# Altium PCB MCU025B.PcbDoc (part 2 of 3) (continued)
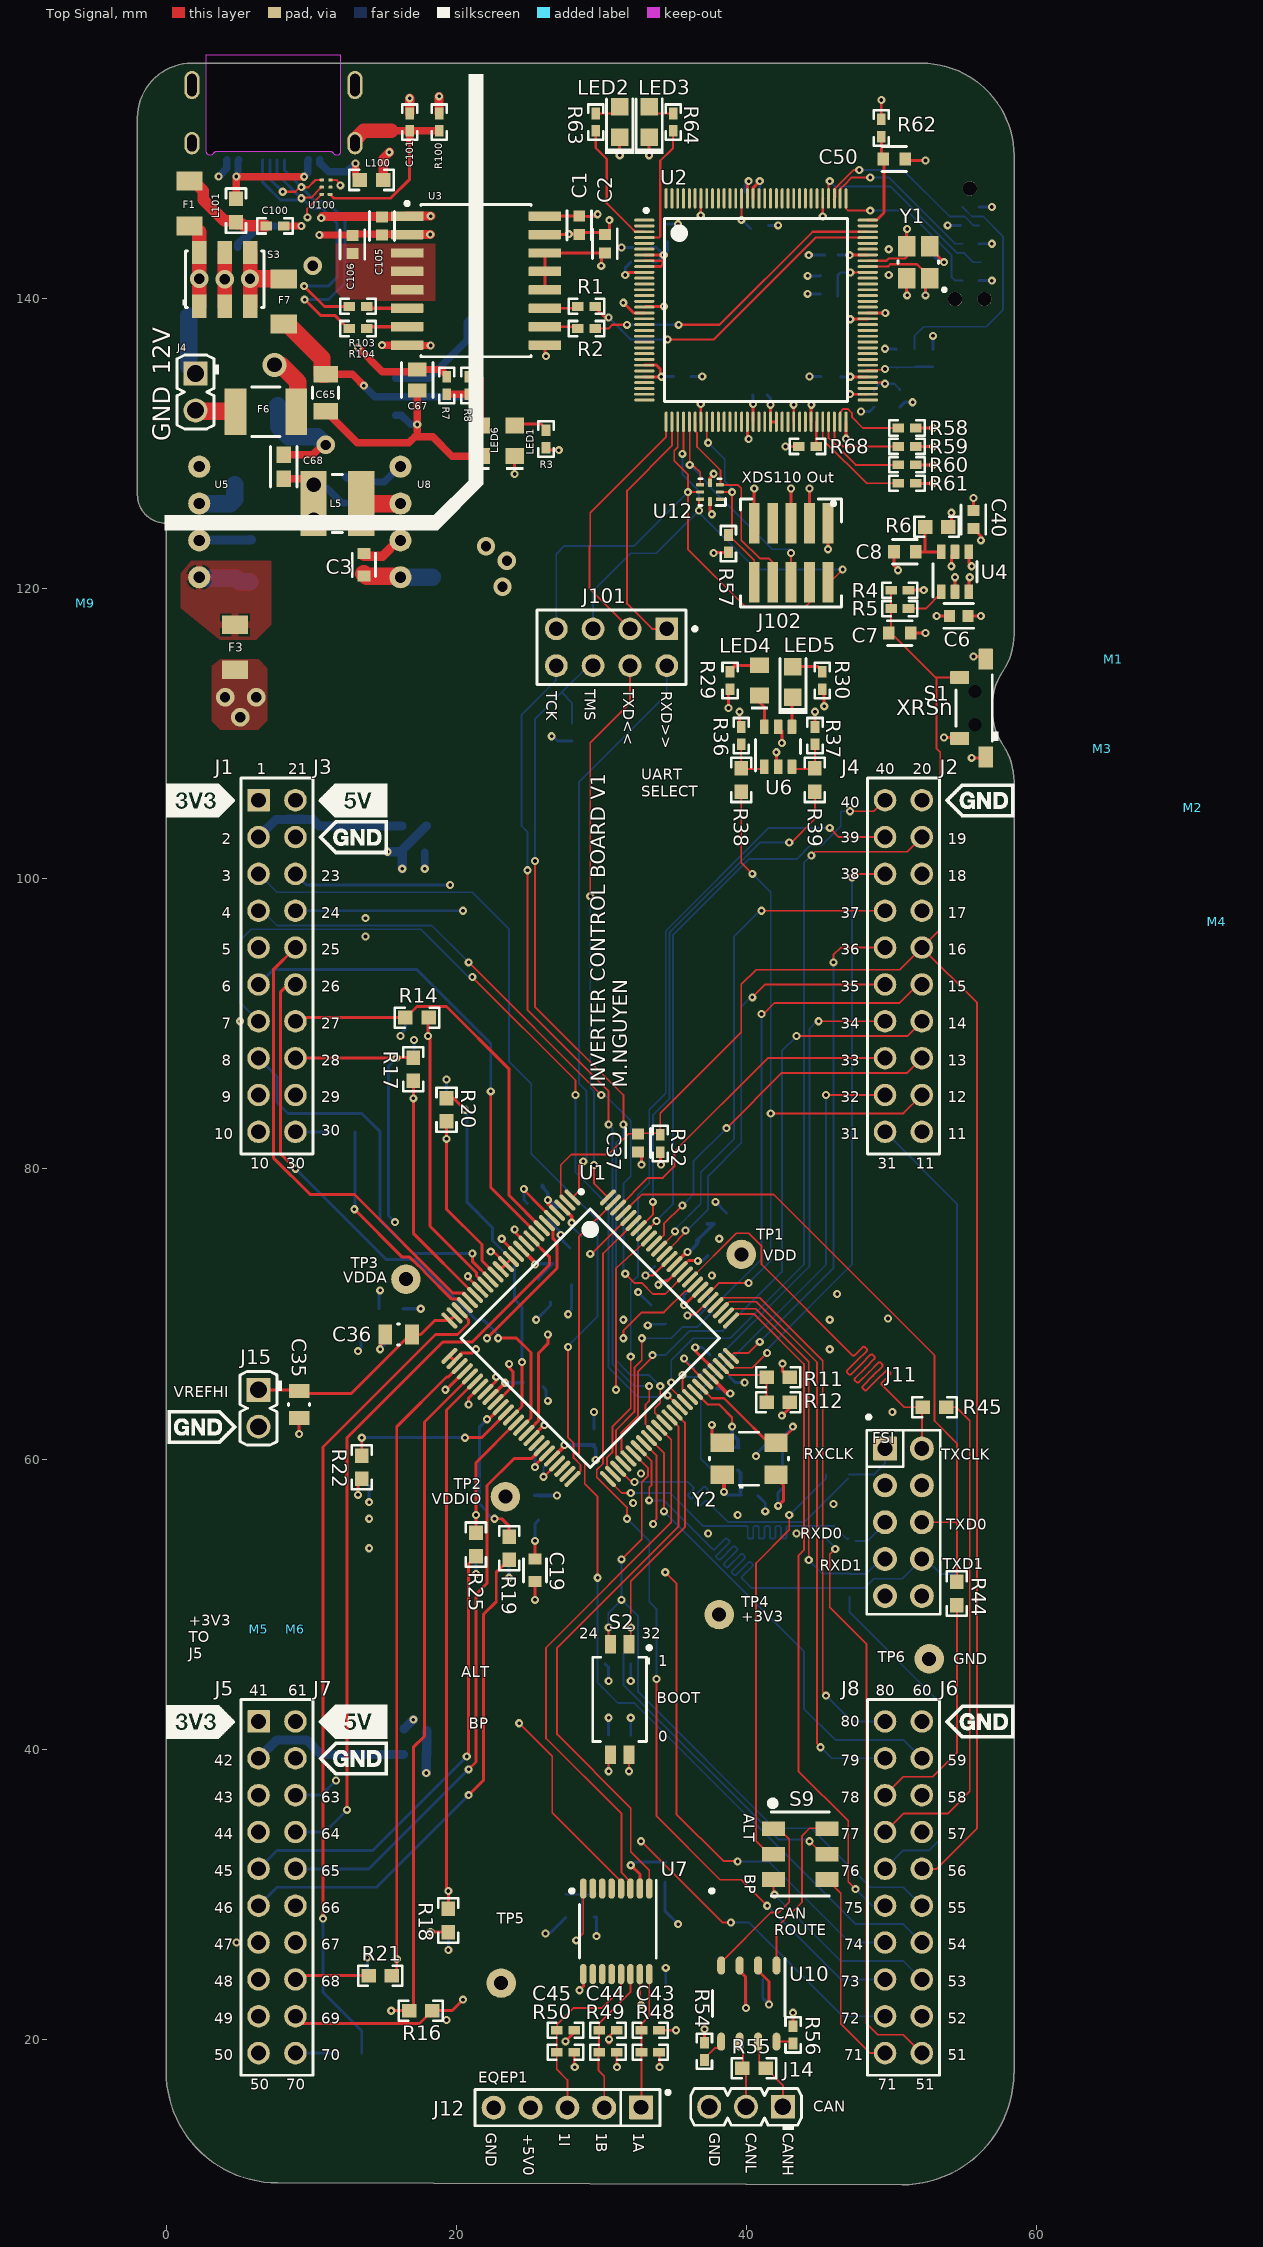
[diagram p0: Top Signal view]
## Nets (pads, with @x,y where several pads share a name; then routed paths per layer and width w, separated by ;. In a path a pad name is that pad's centre, name@x,y a point inside that pad or via, vN(x,y) a via of type N, cw(c..) or ccw(c..) an arc to the next point about the centre after c; other vN are vias at no path point) (continued)
ADCINC5_P6I: J5.28 R21.2 | length 5.1
  Top Signal w0.203: J5.28@8.89,24.13 9.144,24.384 R21.2@13.932,24.384
ADCINC14: J5.25 U1.44 | length 39.1
  Top Signal w0.203: v1(20.828,38.608) 21.336,39.116 21.336,50.673 22.098,51.435 22.098,58.166 23.952,60.02 25.146,60.02 25.388,60.262 U1.44@25.464,60.262
  Bottom Signal w0.203: J5.25@8.89,31.75 13.97,31.75 v1(20.828,38.608)
DEBUG_ID4: R58.1 U2.63 | length 5.4
  Top Signal w0.127: U2.63@46.44,131.492 46.44,132.165 46.657,132.382 46.96,132.382 47.244,132.099 47.244,131.826 48.006,131.064 R58.1@50.419,131.064
DEBUG_ID5: R59.1 U2.62 | length 5.7
  Top Signal w0.127: U2.62@46.04,131.492 46.04,130.363 46.609,129.794 R59.1@50.419,129.794
DEBUG_ID6: R60.1 U2.61 | length 6.7
  Top Signal w0.127: U2.61@45.64,131.492 45.64,130.382 47.498,128.524 R60.1@50.419,128.524
DEBUG_ID7: R61.1 U2.60 | length 7.6
  Top Signal w0.127: U2.60@45.24,131.492 45.24,130.319 45.387,130.173 45.387,130.127 48.26,127.254 R61.1@50.419,127.254
EQEP1A: C43.1 J12.1 R48.1 U7.16 | length 9.6
  Top Signal w0.127: R48.1@32.621,19.192 R48.1@32.649,19.163 ; J12.1@32.713,15.29 J12.1@32.713,15.315 ; J12.1@32.748,15.198 32.748,15.29 R48.1@32.748,19.1 32.748,21.083 33.283,21.618 U7.16@33.283,24.494
EQEP1B: C44.1 J12.2 R49.1 U7.14 | length 10.3
  Top Signal w0.127: R49.1@29.827,19.1 R49.1@29.792,19.1 ; J12.2@30.173,15.29 30.173,17.449 29.792,17.83 R49.1@29.792,19.1 ; U7.14@31.983,24.494 31.983,23.258 29.827,21.102 C44.1@29.827,20.624 29.809,20.606 29.809,19.117 R49.1@29.792,19.1
EQEP1I: C45.1 J12.3 R50.1 U7.13 | length 12.5
  Top Signal w0.127: J12.3@27.633,15.29 27.633,17.195 26.906,17.922 R50.1@26.906,19.1 C45.1@26.906,20.624 26.938,20.657 26.938,21.04 28.062,22.164 30.03,22.164 31.333,23.467 31.333,24.34 U7.13@31.333,24.494
"GLV 5V": F7.2 S3.3 S3.6 | length 6
  Top Signal w1: S3.3@5.761,139.464 v3(5.761,141.342) S3.6@5.761,143.164
  Top Signal w1.2: v3(5.761,141.342) F7.2@8.089,141.342
"GLV GND": C65.1 C67.1 F6.2 F8.2 LED6.1 U11.4 U11.5 U11.6 U11.7 U11.8 | length 21.4
  Top Signal w0.508: C65.1@10.973,132.222 13.147,130.048 16.705,130.048 17.275,130.618 ; 17.109,130.452 18.354,130.452 19.683,129.123 LED6.1@21.65,129.123 ; 17.285,130.823 v2(17.285,131.3) C67.1@17.285,133.639
  Top Signal w1.2: v4(7.442,135.419) 7.468,135.394 7.903,135.394 9.06,134.237 9.06,132.292 F6.2@8.954,132.186
  Bottom Signal w0.508: U11.8@10.76,135.738 U11.8@10.786,135.763 ; U11.4@15.786,131.953 16.186,131.953 16.829,131.31 17.275,131.31 v2(17.285,131.3)
GND: C1.2 C2.2 C3.2 C4.2 C6.2 C7.1 C8.1 C9.1 C10.1 C11.1 C12.1 C13.1 C14.1 C15.2 C16.2 C17.2 C18.2 C19.2 C20.2 C21.2 C22.2 C23.2 C24.2 C25.2 C26.1 C27.1 C28.1 C29.1 C30.1 C31.1 C32.2 C33.2 C34.2 C35.2 C36.2 C37.2 C38.2 C39.2 C40.2 C41.1 C42.2 C43.2 C44.2 C45.2 C49.2 C50.1 C51.2 C52.2 C53.2 C54.2 C55.2 C56.2 C57.2 C58.2 C59.2 C60.2 C61.2 C62.2 C63.2 C66.2 J1.22 J2.20 J5.22 J6.20 J10.3 J10.5 J10.9 J11.3 J11.4 J12.5 J14.3 J15.2 J102.3 J102.5 J102.9 LED1.1 LED2.2 LED3.2 R12.2 R26.1 R27.1 R35.2 R40.1 R41.1 R43.1 R56.1 R67.1 R68.1 S1.1 S1.2 S1.3 TP6.1 U1.5 U1.12 U1.26 U1.27 U1.33 U1.42 U1.45 U1.72 U1.82 U1.86 U2.10 U2.17 U2.48 U2.55 U2.58 U2.64 U2.66 U2.80 U2.114 U3.9 U3.15 U4.2 U5.3 U6.2 U7.9 U8.3 U10.2 U12.4 Y1.2 Y1.4 Y2.2 Y2.4 | length 153.1
  Top Signal w0.203: v1(9.144,61.722) C35.2@9.144,62.829 C35.2@9.144,62.954 ; v1(14.732,67.564) 14.732,67.818 15.202,68.288 C36.2@15.202,68.58 ; U1.26@19.558,67.053 U1.27@19.859,66.753 ; U1.27@19.812,66.802 20.32,67.31 21.082,67.31 v1(21.336,67.564) ; U1.33@21.98,64.631 22.235,64.887 U1.33@22.245,64.897 ; U1.33@22.225,64.897 U1.33@22.245,64.897 ; v1(22.733,65.659) 22.733,65.38 22.25,64.897 U1.33@22.245,64.897 ; v1(23.114,75.184) 23.114,75.129 U1.12@24.101,74.142 ; v1(24.003,127.889) LED1.1@24.003,129.123 ; v1(24.638,78.613) 24.638,78.537 25.781,77.394 25.781,77.387 26.079,77.089 26.104,77.089 U1.5@26.576,76.617 ; U1.42@25.162,61.449 25.162,61.484 26.01,62.332 v1(26.06,62.332) ; v1(25.4,50.292) C19.2@25.4,51.524 ; v1(25.4,59.436) 25.4,59.566 U1.45@26.222,60.389 ; v1@26.086,136.22 U3.9@26.086,136.779 ; U3.15@26.086,144.399 27.686,144.399 27.721,144.434 C1.2@28.575,144.434 ; v1(27.506,19.862) 28.141,20.497 C45.2@28.141,20.624 ; v1(28.468,23.38) 28.733,23.645 U7.9@28.733,24.494 ; C1.2@28.661,144.526 30.388,144.526 30.53,144.668 v1(30.53,145.392) ; C1.2@28.702,144.434 28.661,144.434 C1.2@28.702,144.475 ; v1@30.438,19.781 v1@30.457,19.8 ; v1@30.476,19.728 v1@30.484,19.735 ; v1@30.476,19.742 v1@30.484,19.735 ; C44.2@31.027,20.624 30.927,20.624 30.568,20.265 30.568,20.068 v1(30.5,20) 30.5,19.973 30.611,19.862 v1@30.484,19.735 ; v1(31.242,149.86) LED2.2@31.242,151.096 ; v1(31.496,139.7) 32.204,138.992 U2.17@32.94,138.992 ; v1(31.623,141.605) 31.81,141.792 U2.10@32.94,141.792 ; C37.2@32.512,81.161 32.741,80.932 v1(32.741,80.289) ; v1(33.274,149.86) LED3.2@33.274,151.096 ; C43.2@33.856,20.624 C43.2@33.948,20.624 v1(35.126,20.624) ; v1(33.909,72.009) 34.163,72.263 34.544,72.263 35.362,73.081 U1.86@35.38,73.081 35.984,73.685 v1@36.652,73.685 ; v1(35.687,70.606) 35.71,70.606 36.782,71.679 U1.82@36.83,71.679 ; v1(36.449,67.691) 36.449,67.451 U1.72@37.854,66.046 ; U12.4@37.465,127.295 37.465,127.661 v1@37.67,127.866 ; v1(37.592,62.357) 37.614,62.335 37.614,61.642 38.138,61.118 Y2.4@38.313,61.118 ; U2.114@40.04,146.892 40.04,147.99 v1(40.132,148.082) ; v1(40.437,132.715) 40.437,132.537 40.44,132.534 U2.48@40.44,131.492 ; J102.9@40.513,124.489 v1(40.513,126.899) ; U10.2@40.78,25.088 40.78,24.738 41.529,23.989 v1(41.529,22.4) ; Y2.2@42.013,58.918 42.013,58.698 42.545,58.166 42.545,57.15 v1(42.164,56.769) ; v1(42.037,108.712) 42.037,107.823 U6.2@42.164,107.696 ; v1(42.418,62.992) 42.443,62.992 43.002,63.551 42.926,63.627 R12.2@42.926,64.008 ; v1(42.672,129.794) R68.1@43.596,129.794 ; J102.5@43.053,124.489 v1(43.053,126.899) ; v1@43.18,132.715 v1(43.231,132.664) 43.24,132.655 U2.55@43.24,131.492 ; R56.1@43.188,20.817 R56.1@43.188,20.909 v1(43.188,21.833) ; J102.3@44.323,124.489 v1(44.323,126.899) ; U2.58@44.44,131.492 44.44,132.705 v1@44.45,132.715 ; v1(46.838,130.327) 46.838,130.577 46.84,130.579 U2.64@46.84,131.492 ; v1@47.032,133.392 v1@47.117,133.392 ; v1@47.117,133.35 47.159,133.392 U2.66@48.34,133.392 ; v1(47.117,133.401) v1@47.277,133.401 ; U2.80@48.34,138.992 49.476,138.992 v1@49.53,138.938 ; v1@49.53,138.989 v1(49.555,138.989) ; C8.1@50.152,122.533 50.152,121.56 50.429,121.283 v1(50.429,121.263) ; C50.1@50.915,149.606 51.021,149.5 v1(52.324,149.5) ; Y1.4@51.016,141.394 51.016,140.5 51.054,140.462 v1(51.054,140.208) ; C7.1@51.296,116.932 v1(52.324,116.932) ; Y1.2@52.578,143.51 v1(53.594,142.494) ; v1(53.086,118.11) C6.2@54.01,118.11 ; v1(53.594,109.728) 54.61,109.728 S1.3@54.61,109.474 ; U4.2@54.356,119.783 v1(54.356,120.777) ; v1(55.499,108.331) S1.1@56.515,108.331 ; v1(55.626,115.316) 56.291,115.316 S1.2@56.472,115.135 ; C40.2@55.626,125.314 v1(55.626,126.238)
  Top Signal w0.635: C3.2@13.605,122.229 14.892,122.229 15.98,123.317 U8.3@16.129,123.317
  Bottom Signal w0.203: C33.2@13.462,58.674 13.97,58.166 v1(13.97,57.023) ; v1(13.843,25.629) 13.843,24.473 C31.1@13.97,24.346 ; v1(14.732,67.564) 15.024,67.856 C15.2@15.024,68.58 ; v1(16.129,89.154) 16.129,89.281 16.472,89.624 C26.1@16.472,90.424 ; R27.1@16.345,41.275 R27.1@16.345,41.402 ; C28.1@17.018,87.668 17.069,87.719 v1(17.069,88.875) ; R26.1@17.78,101.854 R26.1@17.805,101.829 ; C27.1@18.326,21.971 18.453,22.098 19.215,21.336 v1(19.304,21.336) ; C30.1@19.304,84.874 v1(19.304,86.157) ; v1(19.431,26.162) C29.1@19.431,27.394 C29.1@19.469,27.432 ; v1(21.336,52.07) C34.2@21.336,53.302 ; v1(23.622,51.816) C32.2@23.622,53.048 ; v1(24.638,78.613) 24.638,77.851 C10.1@24.892,77.597 ; v1(25.4,59.436) 25.4,60.198 25.654,60.452 C22.2@25.4,60.706 ; v1(25.484,69.596) 26.474,70.586 C18.2@26.474,70.808 ; C16.2@25.946,64.986 26.162,64.77 26.162,64.262 26.289,64.135 v1(26.289,64.008) ; C14.1@26.227,76.519 26.265,76.519 27.178,75.605 v1(27.178,75.438) 27.178,75.184 C21.2@27.813,74.549 ; v1(27.686,69.977) 27.686,70.073 27.927,70.314 27.927,71.996 C17.2@27.94,72.009 ; C13.1@29.464,62.068 C13.1@29.464,62.269 v1(29.464,63.246) ; R43.1@29.484,28.422 R43.1@29.636,28.422 29.636,27.267 v1@29.738,27.165 ; R40.1@30.48,40.986 v1(30.48,42.164) ; v1(31.369,143.51) C58.2@32.016,143.51 C58.2@32.166,143.51 ; v1(31.623,141.605) 31.623,142.113 C57.2@32.004,142.494 ; R41.1@32.004,40.986 v1(32.004,42.164) ; v1(32.512,71.501) C20.2@33.401,70.612 ; v1(33.909,72.009) 34.163,72.009 C24.2@34.544,72.39 ; C41.1@34.379,30.856 34.379,28.829 v1(35.268,27.94) ; v1(34.414,24.929) 34.414,23.892 C42.2@34.438,23.868 ; C56.2@34.544,145.126 34.96,145.126 34.976,145.11 v1(35.255,145.11) ; v1(35.687,70.606) 35.687,71.298 C25.2@36.487,72.098 ; C55.2@36.16,134.62 C55.2@36.31,134.62 v1(36.932,134.62) ; v1(36.449,67.691) 36.957,67.691 C23.2@37.465,67.183 ; v1(36.627,73.66) 36.957,73.66 C11.1@37.338,74.041 ; v1(37.846,77.724) C9.1@38.608,76.962 ; C12.1@38.778,65.702 39.203,65.278 v1(39.853,65.278) ; C51.2@39.878,147.32 39.878,147.828 v1(40.132,148.082) ; C54.2@40.386,133.35 40.437,133.299 v1(40.437,132.715) ; v1(40.64,60.198) 40.64,60.334 C39.2@41.341,61.034 ; C38.2@40.763,57.478 41.275,56.966 v1(41.275,56.388) ; C49.2@41.1,24.13 41.1,22.829 v1(41.529,22.4) ; C61.2@41.494,145.034 v1(42.164,145.034) ; v1(42.164,56.769) 42.164,57.689 R35.2@42.467,57.992 ; v1(44.196,140.31) C60.2@45.069,140.31 ; v1(44.196,141.554) 45.044,141.554 C59.2@45.069,141.58 ; v1(44.272,142.977) 45.12,142.977 45.145,143.002 C52.2@45.374,143.002 ; v1(44.323,134.62) C53.2@44.97,134.62 C53.2@45.12,134.62 ; C66.2@50.546,132.496 50.892,132.842 v1(51.435,132.842) ; v1(51.054,140.208) C63.2@51.054,141.224 ; C62.2@52.07,143.764 53.34,142.494 v1(53.594,142.494) ; R67.1@52.832,136.49 v1(52.832,137.414) ; v1(53.848,145.034) J10.9@54.737,145.034 ; J10.5@56.007,141.224 v1(56.896,141.224) ; J10.3@56.007,143.764 v1(56.896,143.764)
  Bottom Signal w0.508: v1(17.805,100.686) R26.1@17.805,101.829
  Bottom Signal w0.635: U5.3@2.261,123.317 2.281,123.337 5.817,123.337 5.838,123.358 5.761,123.358 ; R27.1@16.383,41.402 v1(17.018,42.037)
  other v1: 4.826,26.67 29.636,27.114 13.97,53.848 37.338,54.864 43.434,54.864 13.97,55.88 39.37,56.134 45.974,56.896 32.166,56.966 32.715,59.004 50.038,63.246 45.72,67.564 31.496,69.596 45.72,69.596 49.741,69.686 46.228,71.374 37.592,72.644 38.1,75.184 5.08,90.17 13.716,96.012 13.716,97.282 37.719,127.915 44.45,132.664 26.162,136.017 49.784,141.605 49.784,143.383 27.737,144.424
GPIO0: J6.40 U1.79 | length 37.4
  Top Signal w0.127: U1.79@37.854,70.606 38.368,71.12 40.894,71.12 45.24,66.774 45.24,43.914 v1(45.466,43.688)
  Bottom Signal w0.127: v1(45.466,43.688) 47.244,41.91 J6.40@49.53,41.91
GPIO1: J6.39 U1.78 | length 40
  Top Signal w0.127: U1.78@38.208,70.253 38.796,70.841 40.665,70.841 44.84,66.666 44.84,40.377 v1(45.085,40.132)
  Bottom Signal w0.127: v1(45.085,40.132) 45.847,39.37 J6.39@49.53,39.37
GPIO2_BP: J6.36 R71.2 | length 24
  Bottom Signal w0.127: R71.2@47.092,50.508 R71.2@47.092,50.295 47.092,49.428 53.34,43.18 53.34,33.782 52.578,33.02 50.8,33.02 J6.36@49.53,31.75
GPIO2_FSIRXD1: J11.7 R71.1 U1.77 | length 27.2
  Top Signal w0.127: U1.77@38.561,69.899 39.02,70.358 40.605,70.358 44.272,66.691 v1(44.272,53.033)
  Bottom Signal w0.127: v1(44.272,53.033) 45.197,52.108 47.092,52.108 47.13,52.07 48.204,52.07 49.236,53.102 J11.7@49.53,53.102
GPIO3: J6.35 U1.76 | length 47.6
  Top Signal w0.127: U1.76@38.608,69.239 39.372,70.002 40.488,70.002 43.942,66.548 43.942,53.721 43.561,53.34 43.561,38.481 46.99,35.052 46.99,30.861 v1(47.498,30.353)
  Bottom Signal w0.127: v1(47.498,30.353) 48.641,29.21 J6.35@49.53,29.21
GPIO4: J2.36 U1.75 | length 34.9
  Top Signal w0.127: U1.75@38.915,67.106 39.119,67.31 40.132,67.31 v1(40.894,68.072) ; v1(45.974,94.234) 45.974,94.742 46.482,95.25 J2.36@49.53,95.25
  Bottom Signal w0.127: v1(40.894,68.072) 45.974,73.152 v1(45.974,94.234)
GPIO5: J2.35 U1.89 | length 29.8
  Top Signal w0.127: U1.89@34.319,74.142 35.306,75.129 35.306,75.184 35.782,75.66 v1(35.782,75.748) ; v1(40.386,91.821) 41.275,92.71 J2.35@49.53,92.71
  Bottom Signal w0.127: v1(35.782,75.748) 35.87,75.748 37.338,77.216 37.338,79.502 39.624,81.788 39.624,91.186 40.259,91.821 v1(40.386,91.821)
GPIO6_BP: J6.38 R44.2 | length 16
  Top Signal w0.127: J6.38@49.784,37.084 50.8,38.1 52.832,38.1 54.483,39.751 54.483,49.917 R44.2@54.475,49.925
GPIO6_FSITXD0: J11.6 R44.1 U1.97 | length 45.2
  Top Signal w0.127: U1.97@31.49,76.97 32.498,77.978 32.512,77.978 32.766,78.232 41.86,78.232 52.941,67.15 52.941,62.629 54.483,61.087 54.483,55.642 ; J11.6@52.07,55.642 54.483,55.642 ; R44.1@54.475,51.525 54.483,51.533 54.483,55.642
GPIO7_BP: J6.37 R45.2 | length 34.2
  Top Signal w0.127: J6.37@49.784,34.544 50.8,35.56 53.848,35.56 55.372,37.084 55.372,62.631 54.432,63.571 R45.2@53.741,63.571
GPIO7_FSITXCLK: J11.2 R45.1 U1.84 | length 39.9
  Top Signal w0.127: U1.84@36.087,72.374 39.277,75.565 40.132,75.565 41.021,74.676 41.021,73.406 47.217,67.21 47.271,67.156 ccw(c47.352,67.237) 47.433,67.156 47.986,67.71 cw(c48.067,67.629) 48.148,67.71 48.256,67.602 cw(c48.175,67.521) 48.256,67.44 47.621,66.806 46.921,66.106 ccw(c47.002,66.025) 46.921,65.944 47.029,65.837 ccw(c47.11,65.917) 47.191,65.837 47.891,66.536 48.525,67.171 cw(c48.606,67.09) 48.687,67.171 48.794,67.063 cw(c48.714,66.982) 48.794,66.901 48.16,66.267 47.46,65.567 ccw(c47.541,65.486) 47.46,65.406 47.568,65.298 ccw(c47.649,65.379) 47.73,65.298 48.429,65.998 49.064,66.632 cw(c49.145,66.551) 49.225,66.632 49.333,66.524 cw(c49.252,66.443) 49.333,66.362 48.699,65.728 47.999,65.028 ccw(c48.08,64.948) 47.999,64.867 48.107,64.759 ccw(c48.188,64.84) 48.268,64.759 48.968,65.459 49.603,66.093 cw(c49.683,66.012) 49.764,66.093 49.872,65.985 cw(c49.791,65.905) 49.872,65.824 49.318,65.27 ccw(c49.399,65.189) 49.318,65.109 49.486,64.941 50.038,64.389 50.856,63.571 R45.1@52.141,63.571 52.07,63.499 J11.2@52.07,60.722
GPIO8: J2.38 U1.74 | length 41
  Top Signal w0.127: U1.74@38.561,66.753 39.02,66.294 40.386,66.294 v1(41.402,67.31) ; v1(47.244,100.076) 47.498,100.33 J2.38@49.53,100.33
  Bottom Signal w0.127: v1(41.402,67.31) 41.402,67.564 47.244,73.406 v1(47.244,100.076)
GPIO9: J2.37 U1.90 | length 34.8
  Top Signal w0.127: U1.90@33.965,74.496 35.052,75.582 v1(35.052,75.692) ; v1(41.021,97.79) J2.37@49.53,97.79
  Bottom Signal w0.127: v1(35.052,75.692) 35.052,75.819 36.83,77.597 36.83,79.756 39.116,82.042 39.116,96.012 40.894,97.79 v1(41.021,97.79)
GPIO10: J2.40 U1.93 | length 40.5
  Top Signal w0.127: U1.93@32.905,75.556 33.752,76.403 v1(33.782,76.403) ; v1(47.117,104.648) 48.768,104.648 J2.40@49.53,105.41
  Bottom Signal w0.127: v1(33.782,76.403) 33.782,76.454 34.925,77.597 34.925,96.139 40.132,101.346 43.434,101.346 44.416,102.328 45.208,102.328 46.482,103.602 46.482,104.574 46.556,104.648 v1(47.117,104.648)
GPIO11: J2.39 U1.52 | length 57.6
  Top Signal w0.127: U1.52@30.783,58.975 30.364,59.393 30.364,60.082 30.734,60.452 30.734,62.23 32.004,63.5 v1(32.004,67.056) ; v1(45.72,103.505) 46.355,102.87 J2.39@49.53,102.87
  Bottom Signal w0.127: v1(32.004,67.056) 32.004,72.136 32.512,72.644 32.512,78.232 33.274,78.994 33.274,84.074 34.417,85.217 34.417,96.393 41.529,103.505 v1(45.72,103.505)
GPIO12_BP: J6.11 R47.2 | length 39.5
  Top Signal w0.127: v1(46.1,53.8) 45.72,53.42 45.72,49.784 48.26,47.244 48.26,21.082 49.022,20.32 50.8,20.32 J6.11@52.07,19.05
  Bottom Signal w0.127: R47.2@45.466,54.501 46.1,53.867 v1(46.1,53.8)
GPIO12_FSIRXD0: J11.5 R47.1 U1.51 | length 27
  Top Signal w0.127: U1.51@30.43,58.621 31.393,57.658 v1(32.004,57.658)
  Bottom Signal w0.127: v1(32.004,57.658) 34.722,57.658 37.008,55.372 39.497,55.372 39.688,55.372 39.954,55.372 cw(c39.954,55.258) 40.069,55.258 40.069,54.629 ccw(c40.183,54.629) 40.183,54.514 40.335,54.514 ccw(c40.335,54.629) 40.45,54.629 40.45,55.258 cw(c40.564,55.258) 40.564,55.372 40.716,55.372 cw(c40.716,55.258) 40.831,55.258 40.831,54.629 ccw(c40.945,54.629) 40.945,54.514 41.097,54.514 ccw(c41.097,54.629) 41.212,54.629 41.212,55.258 cw(c41.326,55.258) 41.326,55.372 41.478,55.372 cw(c41.478,55.258) 41.593,55.258 41.593,54.629 ccw(c41.707,54.629) 41.707,54.514 41.859,54.514 ccw(c41.859,54.629) 41.974,54.629 41.974,55.258 cw(c42.088,55.258) 42.088,55.372 42.24,55.372 cw(c42.24,55.258) 42.355,55.258 42.355,54.629 ccw(c42.469,54.629) 42.469,54.514 42.621,54.514 ccw(c42.621,54.629) 42.735,54.629 42.735,55.258 cw(c42.85,55.258) 42.85,55.372 42.926,55.372 46.012,55.372 46.909,54.475 46.949,54.514 R47.1@47.028,54.514 ; R47.1@47.498,54.356 48.337,54.356 49.53,55.549 J11.5@49.53,55.642
GPIO13: J1.3 U1.50 | length 60.7
  Top Signal w0.127: v1(27.686,67.716) 27.686,61.468 28.067,61.087 28.067,60.071 28.551,59.587 28.551,59.182 U1.50@27.99,58.621
  Bottom Signal w0.127: J1.3@6.35,100.33 7.62,99.06 21.082,99.06 23.622,96.52 23.622,87.376 25.146,85.852 25.146,81.026 29.718,76.454 29.718,69.85 27.686,67.818 v1(27.686,67.716)
GPIO14_BP: J6.32 U1.96 | length 67.9
  Top Signal w0.127: v2(29.21,74.142) 29.322,74.142 31.797,76.617 U1.96@31.844,76.617 ; v2(32.715,33.655) 38.313,28.057 38.897,28.057 v1(38.9,28.054)
  Middle Signal w0.127: v2(29.21,74.142) 31.966,71.386 31.966,68.462 32.474,67.954 32.474,65.16 33.274,64.359 33.274,58.293 32.715,57.734 v2(32.715,33.655)
  Bottom Signal w0.127: v1(38.9,28.054) 40.145,28.054 46.609,21.59 J6.32@49.53,21.59
GPIO15_BP: J6.33 U1.95 | length 64.1
  Top Signal w0.127: 29.657,59.179 29.657,58.735 31.75,56.642 v1(31.75,55.88) ; 29.657,59.182 29.657,59.248 30.099,59.69 30.099,74.165 U1.95@32.198,76.263 ; v1(33.782,44.831) 33.782,35.373 38.156,30.999 39.613,30.999 v1(41.402,29.21)
  Bottom Signal w0.127: v1(31.75,55.88) 33.274,54.356 33.274,50.165 33.782,49.657 v1(33.782,44.831) ; v1(41.402,29.21) 46.482,24.13 J6.33@49.53,24.13
GPIO16: J2.15 U1.54 | length 48.8
  Top Signal w0.127: U1.54@31.504,59.682 U1.54@31.49,59.682 31.49,59.696 30.988,60.198 30.988,61.976 32.258,63.246 32.258,66.294 32.766,66.802 v1(32.766,68.326) ; v1(41.021,90.678) 41.097,90.678 41.123,90.653 41.91,91.44 50.546,91.44 J2.15@51.816,92.71
  Bottom Signal w0.127: v1(32.766,68.326) 34.798,68.326 35.56,69.088 36.576,69.088 37.592,70.104 37.592,70.358 41.021,73.787 v1(41.021,90.678)
GPIO17: J2.14 U1.55 | length 45.3
  Top Signal w0.127: U1.55@31.844,60.035 31.369,60.51 31.369,61.849 32.512,62.992 32.512,66.04 33.528,67.056 33.503,67.081 v1(33.503,67.158) ; v1(43.434,89.154) 51.054,89.154 J2.14@52.07,90.17
  Bottom Signal w0.127: v1(33.503,67.158) 34.392,67.158 36.068,68.834 38.354,68.834 42.418,72.898 42.418,88.138 v1(43.434,89.154)
GPIO18_BP: J2.32 R28.1 | length 33.8
  Top Signal w0.127: v1(45.466,85.09) J2.32@49.53,85.09
  Bottom Signal w0.127: R28.1@37.623,59.218 36.83,60.011 36.83,64.77 45.466,73.406 v1(45.466,85.09)
GPIO18_X2: R28.2 R31.2 U1.68 | length 9
  Top Signal w0.152: U1.68@36.44,64.631 37.318,63.754 38.1,63.754 38.989,62.865 v1(38.989,62.23)
  Bottom Signal w0.254: v1(38.989,62.23) 38.989,61.722 39.401,61.31 R31.2@39.401,60.818 ; R31.2@39.37,60.833 39.355,60.818 R28.2@37.623,60.818 39.37,60.818 R31.2@39.401,60.818
GPIO22: J5.7 U1.83 | length 87.5
  Top Signal w0.127: v1(31.496,68.326) 31.496,68.834 32.766,70.104 34.29,70.104 35.776,71.59 36.009,71.59 U1.83@36.44,72.021
  Middle Signal w0.127: J5.7@6.35,26.67 6.096,26.67 4.318,24.892 4.318,17.272 4.953,16.637 16.51,16.637 21.273,21.399 21.273,25.463 26.162,30.353 26.162,51.054 31.496,56.388 v1(31.496,68.326)
GPIO23: J2.12 R38.1 U1.81 | length 49.6
  Top Signal w0.127: U1.81@37.147,71.314 37.277,71.313 38.1,72.136 v1(40.132,72.136) ; R38.1@39.624,106.007 39.624,101.092 v1(40.386,100.33) ; v1(41.656,83.82) 50.8,83.82 J2.12@52.07,85.09
  Bottom Signal w0.127: v1(40.132,72.136) 41.656,73.66 v1(41.656,83.82) 41.656,99.06 v1(40.386,100.33)
GPIO24: J6.15 R33.1 S2.2 U1.56 | length 48.5
  Top Signal w0.127: S2.2@30.48,47.244 v1(30.48,48.387) ; v1(31.369,53.086) 32.766,54.483 32.766,58.39 33.185,58.81 33.185,59.401 U1.56@32.198,60.389
  Bottom Signal w0.127: R33.1@30.48,47.082 v1(30.48,48.387) 30.48,49.403 v1(31.369,50.292) ; v1(31.369,53.086) v1(31.369,50.292) ; J6.15@52.07,29.21 50.8,30.48 48.514,30.48 44.45,34.544 41.91,34.544 32.512,43.942 32.512,49.149 v1(31.369,50.292)
GPIO25_BP: J2.31 R72.2 | length 30.8
  Bottom Signal w0.127: J2.31@49.53,82.55 54.483,77.597 R72.2@54.483,53.759
GPIO25_FSITXD1: J11.8 R72.1 U1.57 | length 39.3
  Top Signal w0.127: U1.57@32.551,60.742 33.439,59.854 33.439,58.204 33.274,58.039 v1(33.274,57.15)
  Bottom Signal w0.127: v1(33.274,57.15) 34.29,57.15 37.592,53.848 37.646,53.794 ccw(c37.727,53.875) 37.808,53.794 38.509,54.495 cw(c38.589,54.414) 38.67,54.495 38.778,54.387 cw(c38.697,54.307) 38.778,54.226 37.996,53.444 37.92,53.368 ccw(c38.001,53.287) 37.92,53.207 38.028,53.099 ccw(c38.109,53.18) 38.19,53.099 38.266,53.174 39.047,53.956 cw(c39.128,53.876) 39.209,53.956 39.317,53.849 cw(c39.236,53.768) 39.317,53.687 38.535,52.905 38.459,52.829 ccw(c38.54,52.749) 38.459,52.668 38.567,52.56 ccw(c38.648,52.641) 38.729,52.56 38.804,52.636 39.586,53.418 cw(c39.667,53.337) 39.748,53.418 39.856,53.31 cw(c39.775,53.229) 39.856,53.148 39.074,52.366 38.998,52.291 ccw(c39.079,52.21) 38.998,52.129 39.106,52.021 ccw(c39.187,52.102) 39.267,52.021 39.343,52.097 40.125,52.879 cw(c40.206,52.798) 40.287,52.879 40.394,52.771 cw(c40.314,52.69) 40.394,52.609 39.693,51.908 ccw(c39.774,51.827) 39.693,51.747 39.811,51.629 40.34,51.1 48.105,51.1 48.752,51.747 50.715,51.747 J11.8@52.07,53.102 52.369,53.102 53.4,52.07 54.394,52.07 R72.1@54.483,52.159
GPIO26_BP: J6.34 U1.58 | length 44.7
  Top Signal w0.127: U1.58@32.905,61.096 33.782,60.218 33.782,55.874 33.55,55.642 v2(33.55,55.525) ; v2(34.379,52.197) 35.154,51.423 35.154,35.525 38.38,32.299 39.329,32.299 v1(39.37,32.258)
  Middle Signal w0.127: v2(33.55,55.525) 33.55,53.026 v2(34.379,52.197)
  Bottom Signal w0.127: v1(39.37,32.258) 41.529,32.258 47.117,26.67 J6.34@49.53,26.67
GPIO27: J6.19 U1.59 | length 32.8
  Top Signal w0.127: U1.59@33.258,61.449 34.29,60.418 v1(34.29,56.388)
  Bottom Signal w0.127: v1(34.29,56.388) 43.942,46.736 43.942,42.799 46.101,40.64 50.8,40.64 J6.19@52.07,39.37 J6.19@52.197,39.243
GPIO28: J101.2 U1.1 | length 39.8
  Top Signal w0.127: U1.1@27.94,77.978 28.448,78.486 28.448,80.239 v1(28.727,80.518)
  Bottom Signal w0.127: v1(28.727,80.518) 28.956,80.747 28.956,85.344 28.448,85.852 28.448,106.68 34.489,112.721 J101.2@34.489,114.681
GPIO29: J101.4 U1.100 | length 38.4
  Top Signal w0.127: v2(29.21,98.788) 29.21,109.36 31.949,112.099 J101.4@31.949,114.681 ; v1(29.464,80.264) 29.464,78.994 U1.100@30.48,77.978
  Bottom Signal w0.127: v2(29.21,98.788) 29.21,85.598 29.464,85.344 v1(29.464,80.264)
GPIO30: J2.33 U1.98 | length 23.3
  Top Signal w0.127: U1.98@31.137,77.324 33.188,79.375 34.22,79.375 35.009,80.164 35.009,81.196 41.443,87.63 J2.33@49.53,87.63
GPIO31: J6.14 U1.99 | length 64.4
  Top Signal w0.127: v1(29.718,51.816) 29.718,57.404 28.829,58.293 28.829,59.704 28.448,60.085 28.448,75.342 U1.99@30.783,77.677
  Bottom Signal w0.127: v1(29.718,51.816) 29.718,44.577 31.115,43.18 32.258,43.18 47.498,27.94 50.8,27.94 J6.14@52.07,26.67
GPIO32: R34.1 S2.1 S9.5 U1.64 | length 40.5
  Top Signal w0.127: S2.1@32.004,47.244 v1(32.004,48.387) 32.004,51.562 35.733,55.291 35.733,62.51 U1.64@35.026,63.217 ; v1(44.323,33.655) S9.5@45.212,32.766
  Bottom Signal w0.127: v1(32.004,48.387) R34.1@32.004,47.082 31.496,46.574 31.496,44.45 42.164,33.782 44.196,33.782 v1(44.323,33.655)
GPIO32_BP: J6.31 S9.6 | length 14.2
  Top Signal w0.127: S9.6@45.538,31.016 46.482,30.072 46.482,21.082 48.514,19.05 J6.31@49.53,19.05
GPIO32_CANTX: S9.4 U10.1 | length 11.5
  Top Signal w0.127: U10.1@42.05,25.088 42.05,27.699 43.815,29.464 43.815,34.036 44.323,34.544 S9.4@45.466,34.544
GPIO33_ALT: R46.2 S9.2 | length 28.8
  Top Signal w0.127: S9.2@41.838,32.766 41.529,32.766 40.64,33.655 40.64,52.832 42.926,55.118 v1(42.926,56.134)
  Bottom Signal w0.127: v1(42.926,56.134) 45.466,58.674 R46.2@45.466,58.928
GPIO33_BP: J6.13 S9.3 | length 13.7
  Top Signal w0.127: S9.3@41.838,31.016 41.838,30.044 v1(41.91,29.972)
  Bottom Signal w0.127: v1(41.91,29.972) 46.482,25.4 50.8,25.4 J6.13@52.07,24.13
GPIO33_CANRX: S9.1 U10.4 | length 12.3
  Top Signal w0.127: U10.4@38.24,25.088 38.24,25.324 41.657,28.74 42.202,28.74 42.926,29.464 42.926,33.782 42.164,34.544 S9.1@41.91,34.544
GPIO33_FSIRXCLK: J11.1 R46.1 U1.53 | length 28.1
  Top Signal w0.127: U1.53@31.137,59.328 32.045,58.42 v1(32.258,58.42)
  Bottom Signal w0.127: R46.1@46.99,58.674 43.963,55.647 38.714,55.647 37.328,57.033 37.274,57.087 ccw(c37.193,57.007) 37.112,57.087 36.802,56.777 cw(c36.721,56.858) 36.64,56.777 36.532,56.885 cw(c36.613,56.966) 36.532,57.047 36.923,57.438 37.268,57.782 ccw(c37.187,57.863) 37.268,57.943 37.16,58.051 ccw(c37.079,57.97) 36.998,58.051 36.654,57.707 36.263,57.316 cw(c36.182,57.397) 36.101,57.316 35.994,57.424 cw(c36.074,57.505) 35.994,57.585 36.304,57.896 ccw(c36.223,57.976) 36.304,58.057 36.131,58.229 35.941,58.42 ; R46.1@47.028,58.928 48.752,58.928 49.53,59.706 J11.1@49.53,60.722 ; 34.28,58.42 35.814,58.42 ; 34.28,58.42 v1(32.258,58.42) 34.28,58.42 ; 35.814,58.42 35.941,58.42 ; 35.814,58.42 35.941,58.42
GPIO34: J6.12 R39.1 U1.94 | length 103.4
  Top Signal w0.127: U1.94@32.551,75.91 32.603,75.91 33.528,76.835 v1(33.528,77.724) ; v1(42.926,102.489) 43.053,102.489 44.704,104.14 44.704,105.791 R39.1@44.958,106.045
  Middle Signal w0.127: v1(33.528,77.724) 33.528,77.089 32.893,76.454 32.893,74.803 40.361,67.335 40.361,64.941 40.132,64.713 40.132,29.591 46.863,22.86 50.8,22.86 J6.12@52.07,21.59
  Bottom Signal w0.127: v1(33.528,77.724) 33.528,83.693 34.671,84.836 34.671,96.266 40.894,102.489 v1(42.926,102.489)
GPIO35: U1.63 U7.1 | length 38.8
  Top Signal w0.127: U7.1@33.283,30.394 33.283,31.649 32.004,32.928 32.004,35.941 26.924,41.021 26.924,46.99 35.306,55.372 35.306,62.23 U1.63@34.672,62.864
GPIO37: U1.61 U7.3 | length 39
  Top Signal w0.127: U1.61@33.965,62.156 34.798,61.324 34.798,55.626 26.162,46.99 26.162,40.743 31.369,35.536 31.369,31.483 U7.3@31.983,30.869 ; U7.3@31.983,30.394 U7.3@31.983,30.869 ; U7.3@31.983,30.394 U7.3@31.983,30.869 ; U7.3@31.983,30.394 U7.3@31.983,30.869
GPIO39: J2.13 U1.91 | length 25.5
  Top Signal w0.127: U1.91@33.612,74.849 33.701,74.849 34.29,75.438 34.29,76.2 v1(35.56,77.47) ; v1(38.608,82.804) 42.418,86.614 51.054,86.614 J2.13@52.07,87.63
  Bottom Signal w0.127: v1(35.56,77.47) 36.322,78.232 36.322,80.518 v1(38.608,82.804)